# KiCad board fmc_usb_gpio_spi_jtag.kicad_pcb
title: FMC of Basic Peripherals for rocket chips; date: 2023-03-03; rev: 1.0.0; company: CHIPS Alliance; note: Rui Huang (2023-02-28); note: Rui Huang (2023-03-03); note: Rui Huang (2023-03-03)
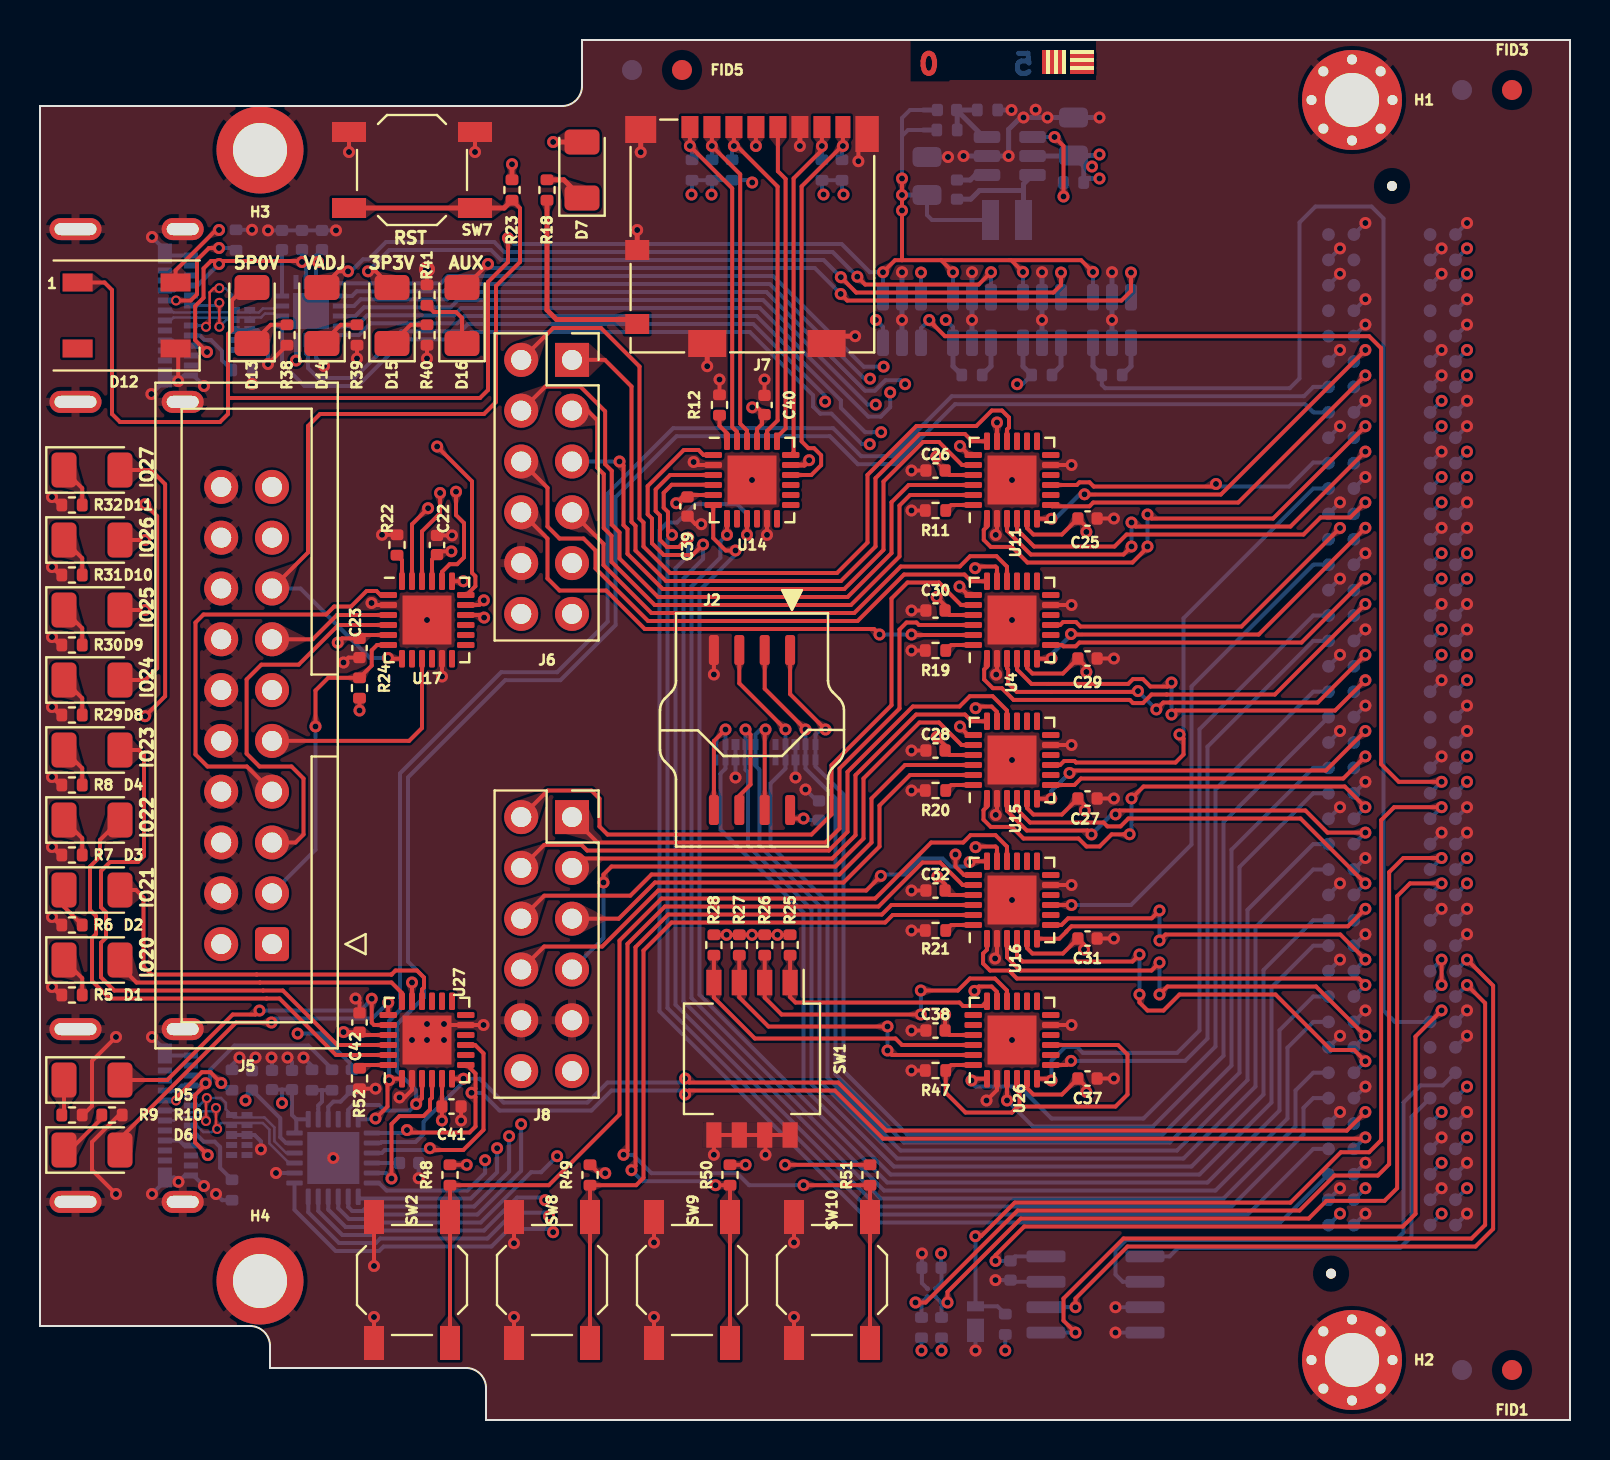
[diagram p0: board, top side]
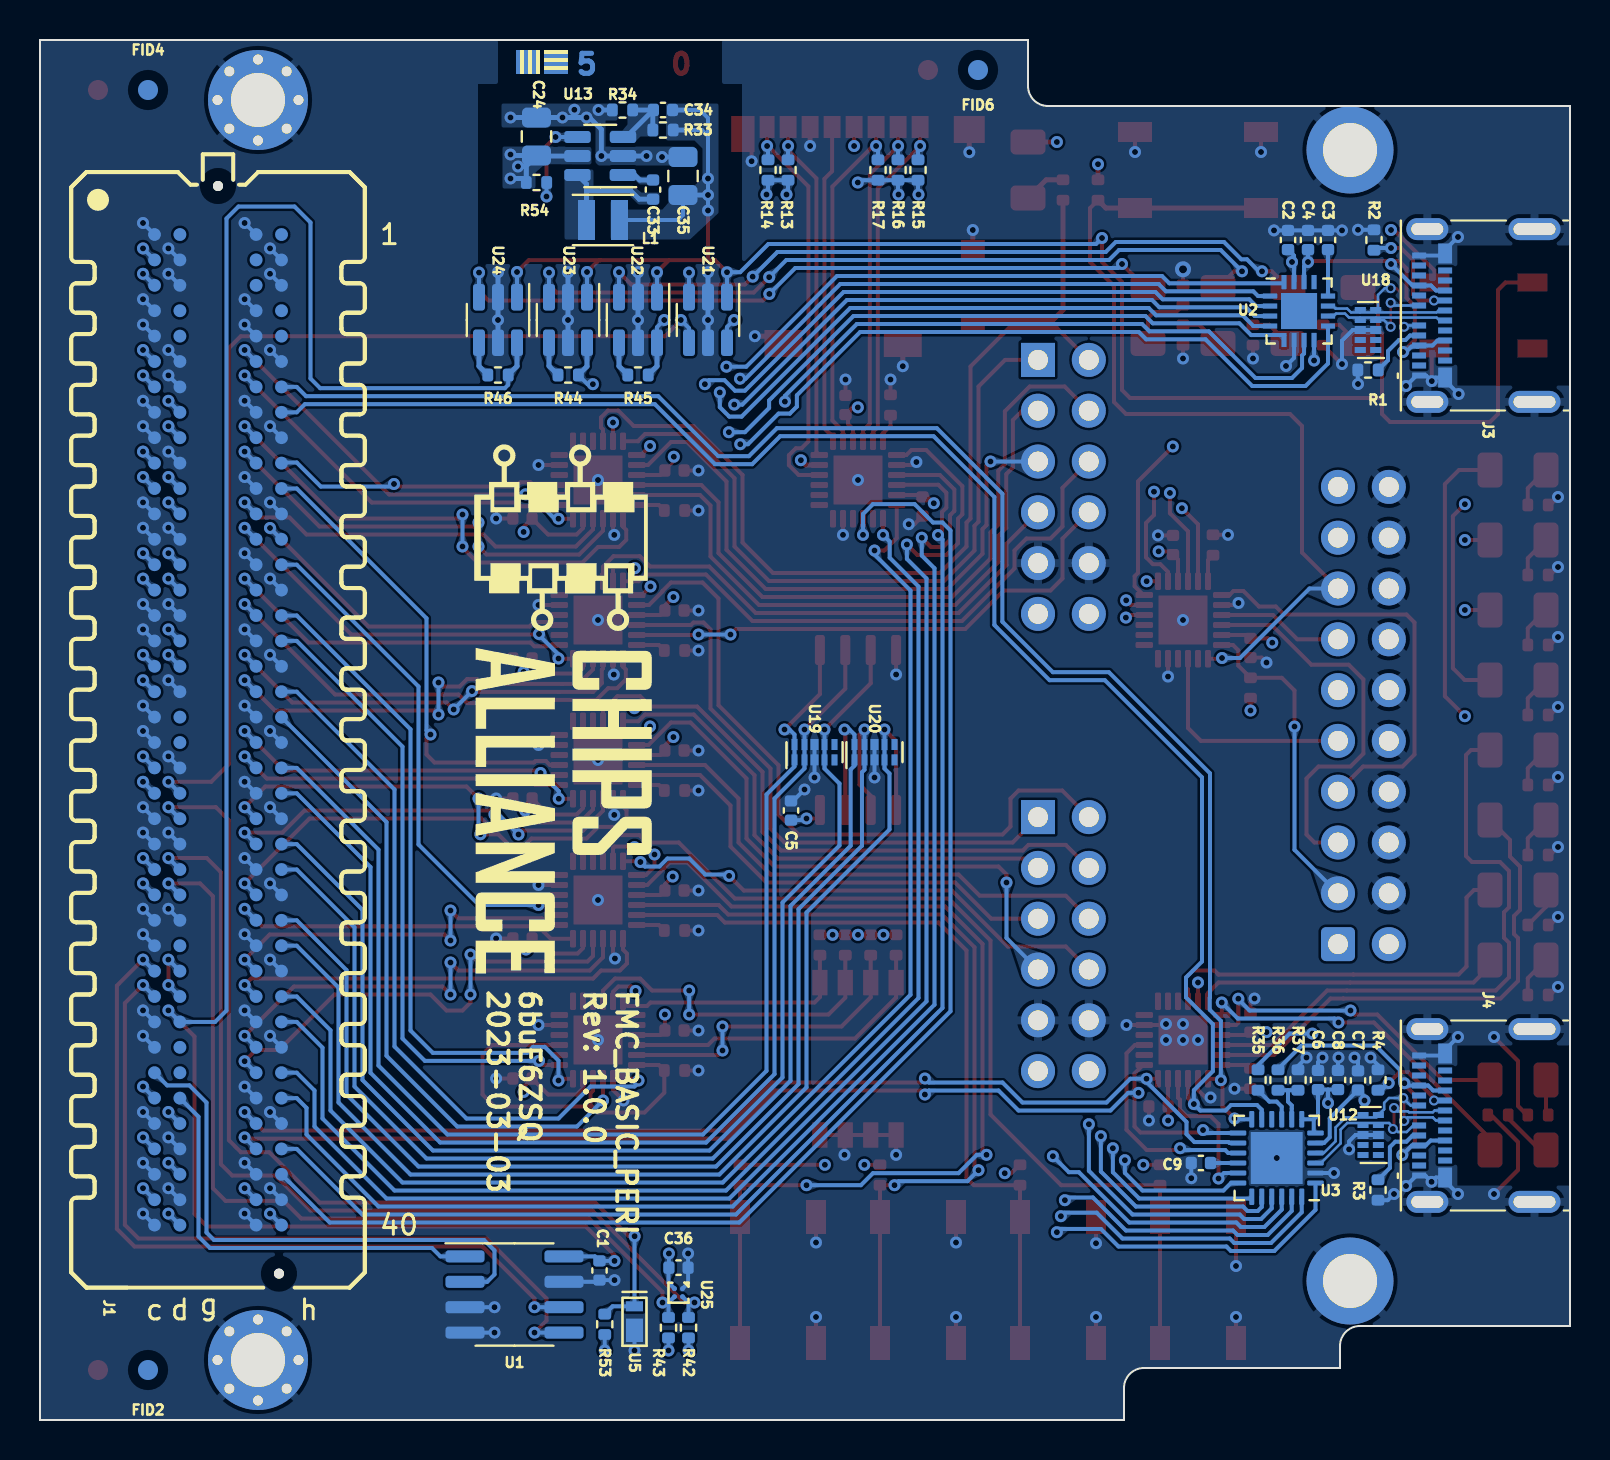
[diagram p1: board, bottom side, seen from below]

Outline 76.5 x 69 mm; copper layers: Top, In1.Cu, In2.Cu, In3.Cu, In4.Cu, Bottom. Coordinates in mm from the lower left corner of the outline.
Outline path: 0,65.7 26.1,65.7 arc(26.81,65.99) 27.1,66.7 27.1,69 76.5,69 76.5,0 22.3,0 22.3,1.6 arc(22.01,2.31) 21.3,2.6 11.5,2.6 11.5,3.7 arc(11.21,4.41) 10.5,4.7 0,4.7 0,65.7
Stack: Top 0.035mm / dielectric 0.1mm 2313 er 4.05 / In1.Cu 0.0175mm / dielectric 0.565mm FR4 er 4.6 / In2.Cu 0.0175mm / dielectric 0.127mm 2116 er 4.25 / In3.Cu 0.0175mm / dielectric 0.565mm FR4 er 4.6 / In4.Cu 0.0175mm / dielectric 0.1mm 2313 er 4.05 / Bottom 0.035mm

## Placement (name value [footprint] x y rotation side)
C1  100n  [C_0402_1005Metric]  48.53 7.48 270 bottom
C2  100n  [C_0402_1005Metric]  14.1 59 90 bottom
C3  1u  [C_0402_1005Metric]  12.1 59 90 bottom
C4  4.7u  [C_0402_1005Metric]  13.1 59 90 bottom
C5  100n  [C_0402_1005Metric]  38.95 30.48 90 bottom
C6  4.7u  [C_0402_1005Metric]  12.6 17 90 bottom
C7  100n  [C_0402_1005Metric]  10.6 16.98 90 bottom
C8  100n  [C_0402_1005Metric]  11.6 17 90 bottom
C9  4.7u  [C_0402_1005Metric]  18.46 12.85 0 bottom
C22  100n  [C_0402_1005Metric]  19.85 43.75 90 top
C23  100n  [C_0402_1005Metric]  15.98 38.6 270 top
C24  22u ±20% 35V  [C_0805_2012Metric]  51.68 64.18 90 bottom
C25  100n  [C_0402_1005Metric]  52.38 45.08 0 top
C26  100n  [C_0402_1005Metric]  44.78 47.48 180 top
C27  100n  [C_0402_1005Metric]  52.38 31.08 0 top
C28  100n  [C_0402_1005Metric]  44.78 33.48 180 top
C29  100n  [C_0402_1005Metric]  52.38 38.08 0 top
C30  100n  [C_0402_1005Metric]  44.78 40.48 180 top
C31  100n  [C_0402_1005Metric]  52.38 24.08 0 top
C32  100n  [C_0402_1005Metric]  44.78 26.48 180 top
C33  22n  [C_0402_1005Metric]  45.85 61.52 90 bottom
C34  22p  [C_0402_1005Metric]  45.35 65.5 180 bottom
C35  22u  [C_0805_2012Metric]  44.35 62.2 90 bottom
C36  0.1u  [C_0402_1005Metric]  44.58 7.62 180 bottom
C37  100n  [C_0402_1005Metric]  52.38 17.08 0 top
C38  100n  [C_0402_1005Metric]  44.78 19.48 180 top
C39  100n  [C_0402_1005Metric]  32.38 45.68 270 top
C40  100n  [C_0402_1005Metric]  36.23 50.75 90 top
C41  100n  [C_0402_1005Metric]  20.58 15.68 0 top
C42  100n  [C_0402_1005Metric]  15.98 19.88 90 top
D1  NCD1206Y1  [LED_1206_3216Metric]  2.6 23 0 top
D2  NCD1206Y1  [LED_1206_3216Metric]  2.6 26.5 0 top
D3  NCD1206Y1  [LED_1206_3216Metric]  2.6 30 0 top
D4  NCD1206Y1  [LED_1206_3216Metric]  2.6 33.5 0 top
D5  NCD1206O1  [LED_1206_3216Metric]  2.6 17 0 top
D6  NCD1206O1  [LED_1206_3216Metric]  2.6 13.5 0 top
D7  NCD1206Y1  [LED_1206_3216Metric]  27.1 62.5 90 top
D8  NCD1206Y1  [LED_1206_3216Metric]  2.6 37 0 top
D9  NCD1206Y1  [LED_1206_3216Metric]  2.6 40.5 0 top
D10  NCD1206Y1  [LED_1206_3216Metric]  2.6 44 0 top
D11  NCD1206Y1  [LED_1206_3216Metric]  2.6 47.5 0 top
D12  WS2812B  [LED_WS2812B_PLCC4_5.0x5.0mm_P3.2mm]  4.33 55.23 0 top
D13  NCD1206O1  [LED_1206_3216Metric]  10.6 55.23 90 top
D14  NCD1206O1  [LED_1206_3216Metric]  14.1 55.23 90 top
D15  NCD1206O1  [LED_1206_3216Metric]  17.6 55.23 90 top
D16  NCD1206O1  [LED_1206_3216Metric]  21.1 55.23 90 top
FID1  1mm  [Fiducial_1mm_Mask2mm]  73.6 2.5 0 top
FID2  1mm  [Fiducial_1mm_Mask2mm]  71.1 2.5 180 bottom
FID3  1mm  [Fiducial_1mm_Mask2mm]  73.6 66.5 0 top
FID4  1mm  [Fiducial_1mm_Mask2mm]  71.1 66.5 180 bottom
FID5  1mm  [Fiducial_1mm_Mask2mm]  32.1 67.5 0 top
FID6  1mm  [Fiducial_1mm_Mask2mm]  29.6 67.5 180 bottom
H1  M2.5  [MountingHole_2.7mm_M2.5_FMC_Pad_Via]  65.6 66 0 top
H2  M2.5  [MountingHole_2.7mm_M2.5_FMC_Pad_Via]  65.6 3 0 top
H3  M2.5  [MountingHole_2.7mm_M2.5_FMC_Pad]  11 63.5 0 top
H4  M2.5  [MountingHole_2.7mm_M2.5_FMC_Pad]  11 6.95 0 top
J1  SAMTEC_ASP-134604-01  [Samtec_FMC_ASP-134604-01_4x40_P1.27mm]  67.6 34.51 90 bottom
J2  ACA-SPI-004-K02  [ACA-SPI-004]  35.6 34.5 0 top
J3  USB_C_Receptacle  [USB_C_Receptacle_Molex_105450-0101]  4.33 55.23 90 bottom
J4  USB_C_Receptacle  [USB_C_Receptacle_Molex_105450-0101]  4.33 15.23 90 bottom
J5  Conn_JTAG_20  [IDC-Header_2x10_P2.54mm_Vertical]  11.6 23.8 180 top
J6  PM2.54-2x6  [PinSocket_2x06_P2.54mm_Vertical]  26.6 53.01 0 top
J7  Micro_SD_Card_Det2  [microSD_HC_Molex_104031-0811]  35.6 59.2 0 top
J8  PM2.54-2x6  [PinSocket_2x06_P2.54mm_Vertical]  26.6 30.15 0 top
L1  4.7uH ±20%  1.6A TFM252012ALMA4R7MTAA  [L_Sunlord_SWPA252012S]  48.35 60 180 bottom
R1  5.1k  [R_0402_1005Metric]  10.1 52.5 180 bottom
R2  5.1k  [R_0402_1005Metric]  9.8 59 270 bottom
R3  5.1k  [R_0402_1005Metric]  9.6 11.5 90 bottom
R4  5.1k  [R_0402_1005Metric]  9.6 17 270 bottom
R5  10k  [R_0402_1005Metric]  1.6 21.25 180 top
R6  10k  [R_0402_1005Metric]  1.6 24.75 180 top
R7  10k  [R_0402_1005Metric]  1.6 28.25 180 top
R8  10k  [R_0402_1005Metric]  1.6 31.75 180 top
R9  10k  [R_0402_1005Metric]  1.6 15.25 0 top
R10  10k  [R_0402_1005Metric]  3.6 15.25 0 top
R11  10k  [R_0402_1005Metric]  44.78 45.48 0 top
R12  10k  [R_0402_1005Metric]  33.98 50.75 270 top
R13  47k  [R_0402_1005Metric]  39.1 62.5 270 bottom
R14  47k  [R_0402_1005Metric]  40.1 62.5 270 bottom
R15  47k  [R_0402_1005Metric]  32.6 62.5 270 bottom
R16  47k  [R_0402_1005Metric]  33.6 62.5 270 bottom
R17  47k  [R_0402_1005Metric]  34.6 62.5 270 bottom
R18  10k  [R_0402_1005Metric]  25.35 61.5 90 top
R19  10k  [R_0402_1005Metric]  44.78 38.48 0 top
R20  10k  [R_0402_1005Metric]  44.78 31.48 0 top
R21  10k  [R_0402_1005Metric]  44.78 24.48 0 top
R22  10k  [R_0402_1005Metric]  17.85 43.75 270 top
R23  47k  [R_0402_1005Metric]  23.6 61.5 270 top
R24  47k  [R_0402_1005Metric]  15.98 36.6 90 top
R25  10k  [R_0402_1005Metric]  37.51 23.75 90 top
R26  10k  [R_0402_1005Metric]  36.24 23.75 90 top
R27  10k  [R_0402_1005Metric]  34.97 23.75 90 top
R28  10k  [R_0402_1005Metric]  33.7 23.75 90 top
R29  10k  [R_0402_1005Metric]  1.6 35.25 180 top
R30  10k  [R_0402_1005Metric]  1.6 38.75 180 top
R31  10k  [R_0402_1005Metric]  1.6 42.25 180 top
R32  10k  [R_0402_1005Metric]  1.6 45.75 180 top
R33  110k 1%  [R_0402_1005Metric]  45.35 64.5 180 bottom
R34  15k 1%  [R_0402_1005Metric]  47.38 65.5 180 bottom
R35  5.1k  [R_0402_1005Metric]  15.6 17 90 bottom
R36  24k  [R_0402_1005Metric]  14.6 17 90 bottom
R37  47k  [R_0402_1005Metric]  13.6 17 270 bottom
R38  15k  [R_0402_1005Metric]  12.35 54.25 270 top
R39  15k  [R_0402_1005Metric]  15.85 54.25 270 top
R40  15k  [R_0402_1005Metric]  19.35 54.25 270 top
R41  15k  [R_0402_1005Metric]  19.35 56.25 90 top
R42  10k  [R_0402_1005Metric]  44.08 4.62 90 bottom
R43  10k  [R_0402_1005Metric]  45.08 4.62 90 bottom
R44  10k  [R_0402_1005Metric]  50.09 52.25 0 bottom
R45  10k  [R_0402_1005Metric]  46.6 52.25 0 bottom
R46  10k  [R_0402_1005Metric]  53.6 52.25 0 bottom
R47  10k  [R_0402_1005Metric]  44.78 17.48 0 top
R48  10k  [R_0402_1005Metric]  20.5 12.25 90 top
R49  10k  [R_0402_1005Metric]  27.5 12.25 90 top
R50  10k  [R_0402_1005Metric]  34.5 12.25 90 top
R51  10k  [R_0402_1005Metric]  41.5 12.25 90 top
R52  10k  [R_0402_1005Metric]  15.98 17.08 90 top
R53  5.1k  [R_0402_1005Metric]  48.26 4.79 270 bottom
R54  15k  [R_0402_1005Metric]  51.68 61.88 180 bottom
SW1  DSHP04TSGET  [SW_DIP_SPSTx04_Slide_KingTek_DSHP04TS_W7.62mm_P1.27mm]  35.6 18.06 270 top
SW2  TL3342F160QG  [SW_SPST_TL3342]  18.6 7 90 top
SW7  TL3342F160QG  [SW_SPST_TL3342]  18.6 62.5 0 top
SW8  TL3342F160QG  [SW_SPST_TL3342]  25.6 7 90 top
SW9  TL3342F160QG  [SW_SPST_TL3342]  32.6 7 90 top
SW10  TL3342F160QG  [SW_SPST_TL3342]  39.6 7 90 top
U1  M24C02-FMN  [SOIC-8_3.9x4.9mm_P1.27mm]  52.78 6.28 180 bottom
U2  STUSB03EQR  [QFN_B03EQR_STM]  13.55 55.45 180 bottom
U3  CP2104  [QFN-24-1EP_4x4mm_P0.5mm_EP2.6x2.6mm]  14.66 13.1 0 bottom
U4  TXS02612RTWR  [WQFN-24-1EP_4x4mm_P0.5mm_EP2.45x2.45mm]  48.6 40 90 top
U5  GX0011D  [DFN_2L_1.6x0.8mm_P0.85mm_L]  46.78 4.91 270 bottom
U11  TXS02612RTWR  [WQFN-24-1EP_4x4mm_P0.5mm_EP2.45x2.45mm]  48.6 47 90 top
U12  TPD4E02B04DQA  [USON-10_2.5x1.0mm_P0.5mm]  9.97 14.25 0 bottom
U13  MT2492  [SOT-23-6]  48.49 63.2 0 bottom
U14  TXS02612RTWR  [WQFN-24-1EP_4x4mm_P0.5mm_EP2.45x2.45mm]  35.6 47 0 top
U15  TXS02612RTWR  [WQFN-24-1EP_4x4mm_P0.5mm_EP2.45x2.45mm]  48.6 33 90 top
U16  TXS02612RTWR  [WQFN-24-1EP_4x4mm_P0.5mm_EP2.45x2.45mm]  48.6 26 90 top
U17  TXS02612RTWR  [WQFN-24-1EP_4x4mm_P0.5mm_EP2.45x2.45mm]  19.35 40 0 top
U18  TPD4E02B04DQA  [USON-10_2.5x1.0mm_P0.5mm]  10.1 54.5 0 bottom
U19  TPD4E02B04DQA  [USON-10_2.5x1.0mm_P0.5mm]  37.78 33.39 90 bottom
U20  TPD4E02B04DQA  [USON-10_2.5x1.0mm_P0.5mm]  34.78 33.39 90 bottom
U21  AIP74LVC1T45GB236TR  [SOT-23-6]  43.1 55 270 bottom
U22  AIP74LVC1T45GB236TR  [SOT-23-6]  46.6 55 270 bottom
U23  AIP74LVC1T45GB236TR  [SOT-23-6]  50.1 55 270 bottom
U24  AIP74LVC1T45GB236TR  [SOT-23-6]  53.6 55 270 bottom
U25  MMC5603NJ  [WLP4_N40P2X2_80X80X52N]  44.58 6.37 270 bottom
U26  TXS02612RTWR  [WQFN-24-1EP_4x4mm_P0.5mm_EP2.45x2.45mm]  48.6 19 90 top
U27  TXS02612RTWR  [WQFN-24-1EP_4x4mm_P0.5mm_EP2.45x2.45mm]  19.35 19 90 top

## Library data of the parts
C1-C9 C22-C42 = -: Description: Unpolarized capacitor
D1-D11 D13-D16 = -: Description: Light emitting diode
D12 = -: Description: RGB LED with integrated controller
FID1-FID6 = -: Description: Fiducial Marker
H1-H4 = -: Description: Mounting Hole with connection
J1 = -: Description: Connector array, 4x40, 1.27mm pitch, mezzanine-card, plug, gold finish, VITA 57.1 FMC, SMD
J2 = -: Description: SPI 8PIN SMT 1.27MM PITCH, BLACK, HF SPI Socket
J3 J4 = -: Description: USB Full-Featured Type-C Receptacle connector
J5 = -: Description: Standard IDC20 Pinheader Connector, ARM legacy JTAG and SWD interface
J6 J8 = -: Description: Generic connector, double row, 02x06, odd/even pin numbering scheme (row 1 odd numbers, row 2 even numbers), script generated (kicad-library-utils/schlib/autogen/connector/)
J7 = -: Description: Micro SD Card Socket with two card detection pins
L1 = -: Description: Inductor
R1-R54 = -: Description: Resistor
SW1 = -: Description: 4x DIP Switch, Single Pole Single Throw (SPST) switch, small symbol
SW2 SW7-SW10 = -: Description: Push button switch, generic, two pins
U1 = -: Description: 2Kb (256x8) I2C Serial EEPROM, 1.6-5.5V, SOIC-8
U3 = -: Description: Single-Chip USB-to-UART Bridge, USB 2.0 Full-Speed, 2Mbps UART, QFN-24
U4 U11 U14-U17 U26 U27 = -: Description: SDIO Port Expander With Voltage-Level translation, 1.1-V to 3.6-V
U5 = -: Description: High-precision dual-pin digital pulse output thermometer
U12 U18-U20 = -: Description: 4-Channel ESD Protection Diode for USB Type-C and HDMI 2.0, USON-10
U13 = -: Description: High-Efficiency, 2A,4.5V-16V Input,600kHz Synchronous Step-Down Converter, SOT-23-6; JLCPCB Rotation Offset: -180
U21-U24 = -: Description: Single-Bit Dual-Supply Bus Transceiver With Configurable Voltage Translation and 3-State Outputs, A: 1.2V to 5.5 V, B: 1.2V to 5.5 V, SOT-23-6; JLCPCB Rotation Offset: -180
U25 = -: Description: 3-axis electronic compass IC, I3C / I2C, 20bits, 0.0625mG/LSB, 1.62V to 3.6V, -40°C to 85°C

## Footprints (pads in the part's own frame, mm; a bottom-side part is the same pattern mirrored in y, then rotated)
ACA-SPI-004
  rrect 0.5x1.5 smd: 1(1.905,4) 2(0.635,4) 3(-0.635,4) 4(-1.905,4) 5(-1.905,-4) 6(-0.635,-4) 7(0.635,-4) 8(1.905,-4)
C_0402_1005Metric
  rrect 0.56x0.62 smd: 1(-0.48,0) 2(0.48,0)
C_0805_2012Metric
  rrect 1x1.45 smd: 1(-0.95,0) 2(0.95,0)
DFN_2L_1.6x0.8mm_P0.85mm_L
  rect 0.5x0.85 smd: 1(-0.775,0)
  rect 1.17x0.85 smd: 2(0.425,0)
Fiducial_1mm_Mask2mm
  round 1 smd: (0,0)
IDC-Header_2x10_P2.54mm_Vertical
  rrect 1.7x1.7 hole 1: 1(0,0)
  round 1.7 hole 1: 2(2.54,0) 3(0,-2.54) 4(2.54,-2.54) 5(0,-5.08) 6(2.54,-5.08) 7(0,-7.62) 8(2.54,-7.62) 9(0,-10.16) 10(2.54,-10.16) 11(0,-12.7) 12(2.54,-12.7) 13(0,-15.24) 14(2.54,-15.24) 15(0,-17.78) 16(2.54,-17.78) 17(0,-20.32) 18(2.54,-20.32) 19(0,-22.86) 20(2.54,-22.86)
L_Sunlord_SWPA252012S
  rect 0.85x2 smd: 1(-0.825,0) 2(0.825,0)
LED_1206_3216Metric
  rrect 1.25x1.75 smd: 1(-1.4,0) 2(1.4,0)
LED_WS2812B_PLCC4_5.0x5.0mm_P3.2mm
  rect 1.5x0.9 smd: 1(-2.45,1.65) 2(-2.45,-1.65) 3(2.45,-1.65) 4(2.45,1.65)
microSD_HC_Molex_104031-0811
  rect 0.85x1.1 smd: 1(-3.105,5.45) 2(-2.005,5.45) 3(-0.905,5.45) 4(0.195,5.45) 5(1.295,5.45) 6(2.395,5.45) 7(3.495,5.45)
  rect 0.75x1.1 smd: 8(4.545,5.45)
  rect 1.2x1 smd: 9(-5.74,-0.7) 10(-5.74,-4.4)
  rect 1.55x1.35 smd: 11(-5.565,5.325)
  rect 1.9x1.35 smd: 11(-2.24,-5.375) 11(3.73,-5.375)
  rect 1.17x1.8 smd: 11(5.755,5.1)
MountingHole_2.7mm_M2.5_FMC_Pad
  round 4.35 hole 2.7: 1(0,0)
MountingHole_2.7mm_M2.5_FMC_Pad_Via
  round 0.8 hole 0.5: 1(-2.025,0) 1(-1.432,1.432) 1(-1.432,-1.432) 1(0,2.025) 1(0,-2.025) 1(1.432,1.432) 1(1.432,-1.432) 1(2.025,0)
  round 5 hole 2.7: 1(0,0)
PinSocket_2x06_P2.54mm_Vertical
  rect 1.7x1.7 hole 1: 1(0,0)
  oval 1.7x1.7 hole 1: 2(-2.54,0) 3(0,-2.54) 4(-2.54,-2.54) 5(0,-5.08) 6(-2.54,-5.08) 7(0,-7.62) 8(-2.54,-7.62) 9(0,-10.16) 10(-2.54,-10.16) 11(0,-12.7) 12(-2.54,-12.7)
QFN-24-1EP_4x4mm_P0.5mm_EP2.6x2.6mm
  rrect 1.05x1.05 smd: (-0.65,-0.65) (-0.65,0.65) (0.65,-0.65) (0.65,0.65)
  rrect 0.825x0.25 smd: 1(-1.938,1.25) 2(-1.938,0.75) 3(-1.938,0.25) 4(-1.938,-0.25) 5(-1.938,-0.75) 6(-1.938,-1.25) 13(1.938,-1.25) 14(1.938,-0.75) 15(1.938,-0.25) 16(1.938,0.25) 17(1.938,0.75) 18(1.938,1.25)
  rrect 0.25x0.825 smd: 7(-1.25,-1.938) 8(-0.75,-1.938) 9(-0.25,-1.938) 10(0.25,-1.938) 11(0.75,-1.938) 12(1.25,-1.938) 19(1.25,1.938) 20(0.75,1.938) 21(0.25,1.938) 22(-0.25,1.938) 23(-0.75,1.938) 24(-1.25,1.938)
  rect 2.6x2.6 smd: 25(0,0)
QFN_B03EQR_STM
  rect 0.711x0.254 smd: 1(-1.448,0.75) 2(-1.448,0.25) 3(-1.448,-0.25) 4(-1.448,-0.75) 9(1.448,-0.75) 10(1.448,-0.25) 11(1.448,0.25) 12(1.448,0.75)
  rect 0.254x0.711 smd: 5(-0.75,-1.448) 6(-0.25,-1.448) 7(0.25,-1.448) 8(0.75,-1.448) 13(0.75,1.448) 14(0.25,1.448) 15(-0.25,1.448) 16(-0.75,1.448)
  rect 1.803x1.803 smd: 17(0,0)
R_0402_1005Metric
  rrect 0.54x0.64 smd: 1(-0.51,0) 2(0.51,0)
Samtec_FMC_ASP-134604-01_4x40_P1.27mm
  round 0.5 hole 1.3 unplated: (-27.191,-3.048) (27.191,0)
  round 0.64 smd: C1(24.765,3.175) C2(23.495,3.175) C3(22.225,3.175) C4(20.955,3.175) C5(19.685,3.175) C6(18.415,3.175) C7(17.145,3.175) C8(15.875,3.175) C9(14.605,3.175) C10(13.335,3.175) C11(12.065,3.175) C12(10.795,3.175) C13(9.525,3.175) C14(8.255,3.175) C15(6.985,3.175) C16(5.715,3.175) C17(4.445,3.175) C18(3.175,3.175) C19(1.905,3.175) C20(0.635,3.175) C21(-0.635,3.175) C22(-1.905,3.175) C23(-3.175,3.175) C24(-4.445,3.175) C25(-5.715,3.175) C26(-6.985,3.175) C27(-8.255,3.175) C28(-9.525,3.175) C29(-10.795,3.175) C30(-12.065,3.175) C31(-13.335,3.175) C32(-14.605,3.175) C33(-15.875,3.175) C34(-17.145,3.175) C35(-18.415,3.175) C36(-19.685,3.175) C37(-20.955,3.175) C38(-22.225,3.175) C39(-23.495,3.175) C40(-24.765,3.175) D1(24.765,1.905) D2(23.495,1.905) D3(22.225,1.905) D4(20.955,1.905) D5(19.685,1.905) D6(18.415,1.905) D7(17.145,1.905) D8(15.875,1.905) D9(14.605,1.905) D10(13.335,1.905) D11(12.065,1.905) D12(10.795,1.905) D13(9.525,1.905) D14(8.255,1.905) D15(6.985,1.905) D16(5.715,1.905) D17(4.445,1.905) D18(3.175,1.905) D19(1.905,1.905) D20(0.635,1.905) D21(-0.635,1.905) D22(-1.905,1.905) D23(-3.175,1.905) D24(-4.445,1.905) D25(-5.715,1.905) D26(-6.985,1.905) D27(-8.255,1.905) D28(-9.525,1.905) D29(-10.795,1.905) D30(-12.065,1.905) D31(-13.335,1.905) D32(-14.605,1.905) D33(-15.875,1.905) D34(-17.145,1.905) D35(-18.415,1.905) D36(-19.685,1.905) D37(-20.955,1.905) D38(-22.225,1.905) D39(-23.495,1.905) D40(-24.765,1.905) G1(24.765,-1.905) G2(23.495,-1.905) G3(22.225,-1.905) G4(20.955,-1.905) G5(19.685,-1.905) G6(18.415,-1.905) G7(17.145,-1.905) G8(15.875,-1.905) G9(14.605,-1.905) G10(13.335,-1.905) G11(12.065,-1.905) G12(10.795,-1.905) G13(9.525,-1.905) G14(8.255,-1.905) G15(6.985,-1.905) G16(5.715,-1.905) G17(4.445,-1.905) G18(3.175,-1.905) G19(1.905,-1.905) G20(0.635,-1.905) G21(-0.635,-1.905) G22(-1.905,-1.905) G23(-3.175,-1.905) G24(-4.445,-1.905) G25(-5.715,-1.905) G26(-6.985,-1.905) G27(-8.255,-1.905) G28(-9.525,-1.905) G29(-10.795,-1.905) G30(-12.065,-1.905) G31(-13.335,-1.905) G32(-14.605,-1.905) G33(-15.875,-1.905) G34(-17.145,-1.905) G35(-18.415,-1.905) G36(-19.685,-1.905) G37(-20.955,-1.905) G38(-22.225,-1.905) G39(-23.495,-1.905) G40(-24.765,-1.905) H1(24.765,-3.175) H2(23.495,-3.175) H3(22.225,-3.175) H4(20.955,-3.175) H5(19.685,-3.175) H6(18.415,-3.175) H7(17.145,-3.175) H8(15.875,-3.175) H9(14.605,-3.175) H10(13.335,-3.175) H11(12.065,-3.175) H12(10.795,-3.175) H13(9.525,-3.175) H14(8.255,-3.175) H15(6.985,-3.175) H16(5.715,-3.175) H17(4.445,-3.175) H18(3.175,-3.175) H19(1.905,-3.175) H20(0.635,-3.175) H21(-0.635,-3.175) H22(-1.905,-3.175) H23(-3.175,-3.175) H24(-4.445,-3.175) H25(-5.715,-3.175) H26(-6.985,-3.175) H27(-8.255,-3.175) H28(-9.525,-3.175) H29(-10.795,-3.175) H30(-12.065,-3.175) H31(-13.335,-3.175) H32(-14.605,-3.175) H33(-15.875,-3.175) H34(-17.145,-3.175) H35(-18.415,-3.175) H36(-19.685,-3.175) H37(-20.955,-3.175) H38(-22.225,-3.175) H39(-23.495,-3.175) H40(-24.765,-3.175)
SOIC-8_3.9x4.9mm_P1.27mm
  rrect 1.95x0.6 smd: 1(-2.475,1.905) 2(-2.475,0.635) 3(-2.475,-0.635) 4(-2.475,-1.905) 5(2.475,-1.905) 6(2.475,-0.635) 7(2.475,0.635) 8(2.475,1.905)
SOT-23-6
  rrect 1.325x0.6 smd: 1(-1.137,0.95) 2(-1.137,0) 3(-1.137,-0.95) 4(1.137,-0.95) 5(1.137,0) 6(1.137,0.95)
SW_DIP_SPSTx04_Slide_KingTek_DSHP04TS_W7.62mm_P1.27mm
  rect 1.27x0.76 smd: 1(-3.81,1.905) 2(-3.81,0.635) 3(-3.81,-0.635) 4(-3.81,-1.905) 5(3.81,-1.905) 6(3.81,-0.635) 7(3.81,0.635) 8(3.81,1.905)
SW_SPST_TL3342
  rect 1.7x1 smd: 1(-3.15,1.9) 1(3.15,1.9) 2(-3.15,-1.9) 2(3.15,-1.9)
USB_C_Receptacle_Molex_105450-0101
  rect 0.3x0.7 smd: A1(-3,3.215) A2(-2.5,3.215) A3(-2,3.215) A4(-1.5,3.215) A5(-1,3.215) A6(-0.5,3.215) A7(0.5,3.215) A8(1,3.215) A9(1.5,3.215) A10(2,3.215) A11(2.5,3.215) A12(3,3.215) B2(2.25,1.915) B3(1.75,1.915) B4(1.25,1.915) B5(0.75,1.915) B6(0.25,1.915) B7(-0.25,1.915) B8(-0.75,1.915) B9(-1.25,1.915) B10(-1.75,1.915) B11(-2.25,1.915)
  rect 1x0.7 smd: B1(3.1,1.915) B12(-3.1,1.915)
  oval 1.1x2.6 hole 0.6x2.1: S1(-4.32,-2.555) S1(4.32,-2.555)
  oval 1.1x2.1 hole 0.6x1.6: S1(-4.32,2.805) S1(4.32,2.805)
USON-10_2.5x1.0mm_P0.5mm
  rect 0.55x0.3 smd: 1(-0.385,1) 2(-0.385,0.5) 4(-0.385,-0.5) 5(-0.385,-1) 6(0.385,-1) 7(0.385,-0.5) 9(0.385,0.5) 10(0.385,1)
  rect 0.55x0.4 smd: 3(-0.385,0) 8(0.385,0)
WLP4_N40P2X2_80X80X52N
  round 0.25 smd: A1(-0.2,0.2) A2(0.2,0.2) B1(-0.2,-0.2) B2(0.2,-0.2)
WQFN-24-1EP_4x4mm_P0.5mm_EP2.45x2.45mm
  rrect 0.99x0.99 smd: (-0.61,0.61) (-0.61,-0.61) (0.61,0.61) (0.61,-0.61)
  rrect 0.875x0.3 smd: 1(-1.938,1.25) 2(-1.938,0.75) 3(-1.938,0.25) 4(-1.938,-0.25) 5(-1.938,-0.75) 6(-1.938,-1.25) 13(1.938,-1.25) 14(1.938,-0.75) 15(1.938,-0.25) 16(1.938,0.25) 17(1.938,0.75) 18(1.938,1.25)
  rrect 0.3x0.875 smd: 7(-1.25,-1.938) 8(-0.75,-1.938) 9(-0.25,-1.938) 10(0.25,-1.938) 11(0.75,-1.938) 12(1.25,-1.938) 19(1.25,1.938) 20(0.75,1.938) 21(0.25,1.938) 22(-0.25,1.938) 23(-0.75,1.938) 24(-1.25,1.938)
  rect 2.45x2.45 smd: 25(0,0)
